# Altium PCB Board-PCB.PcbDoc (part 1 of 2) (continued)
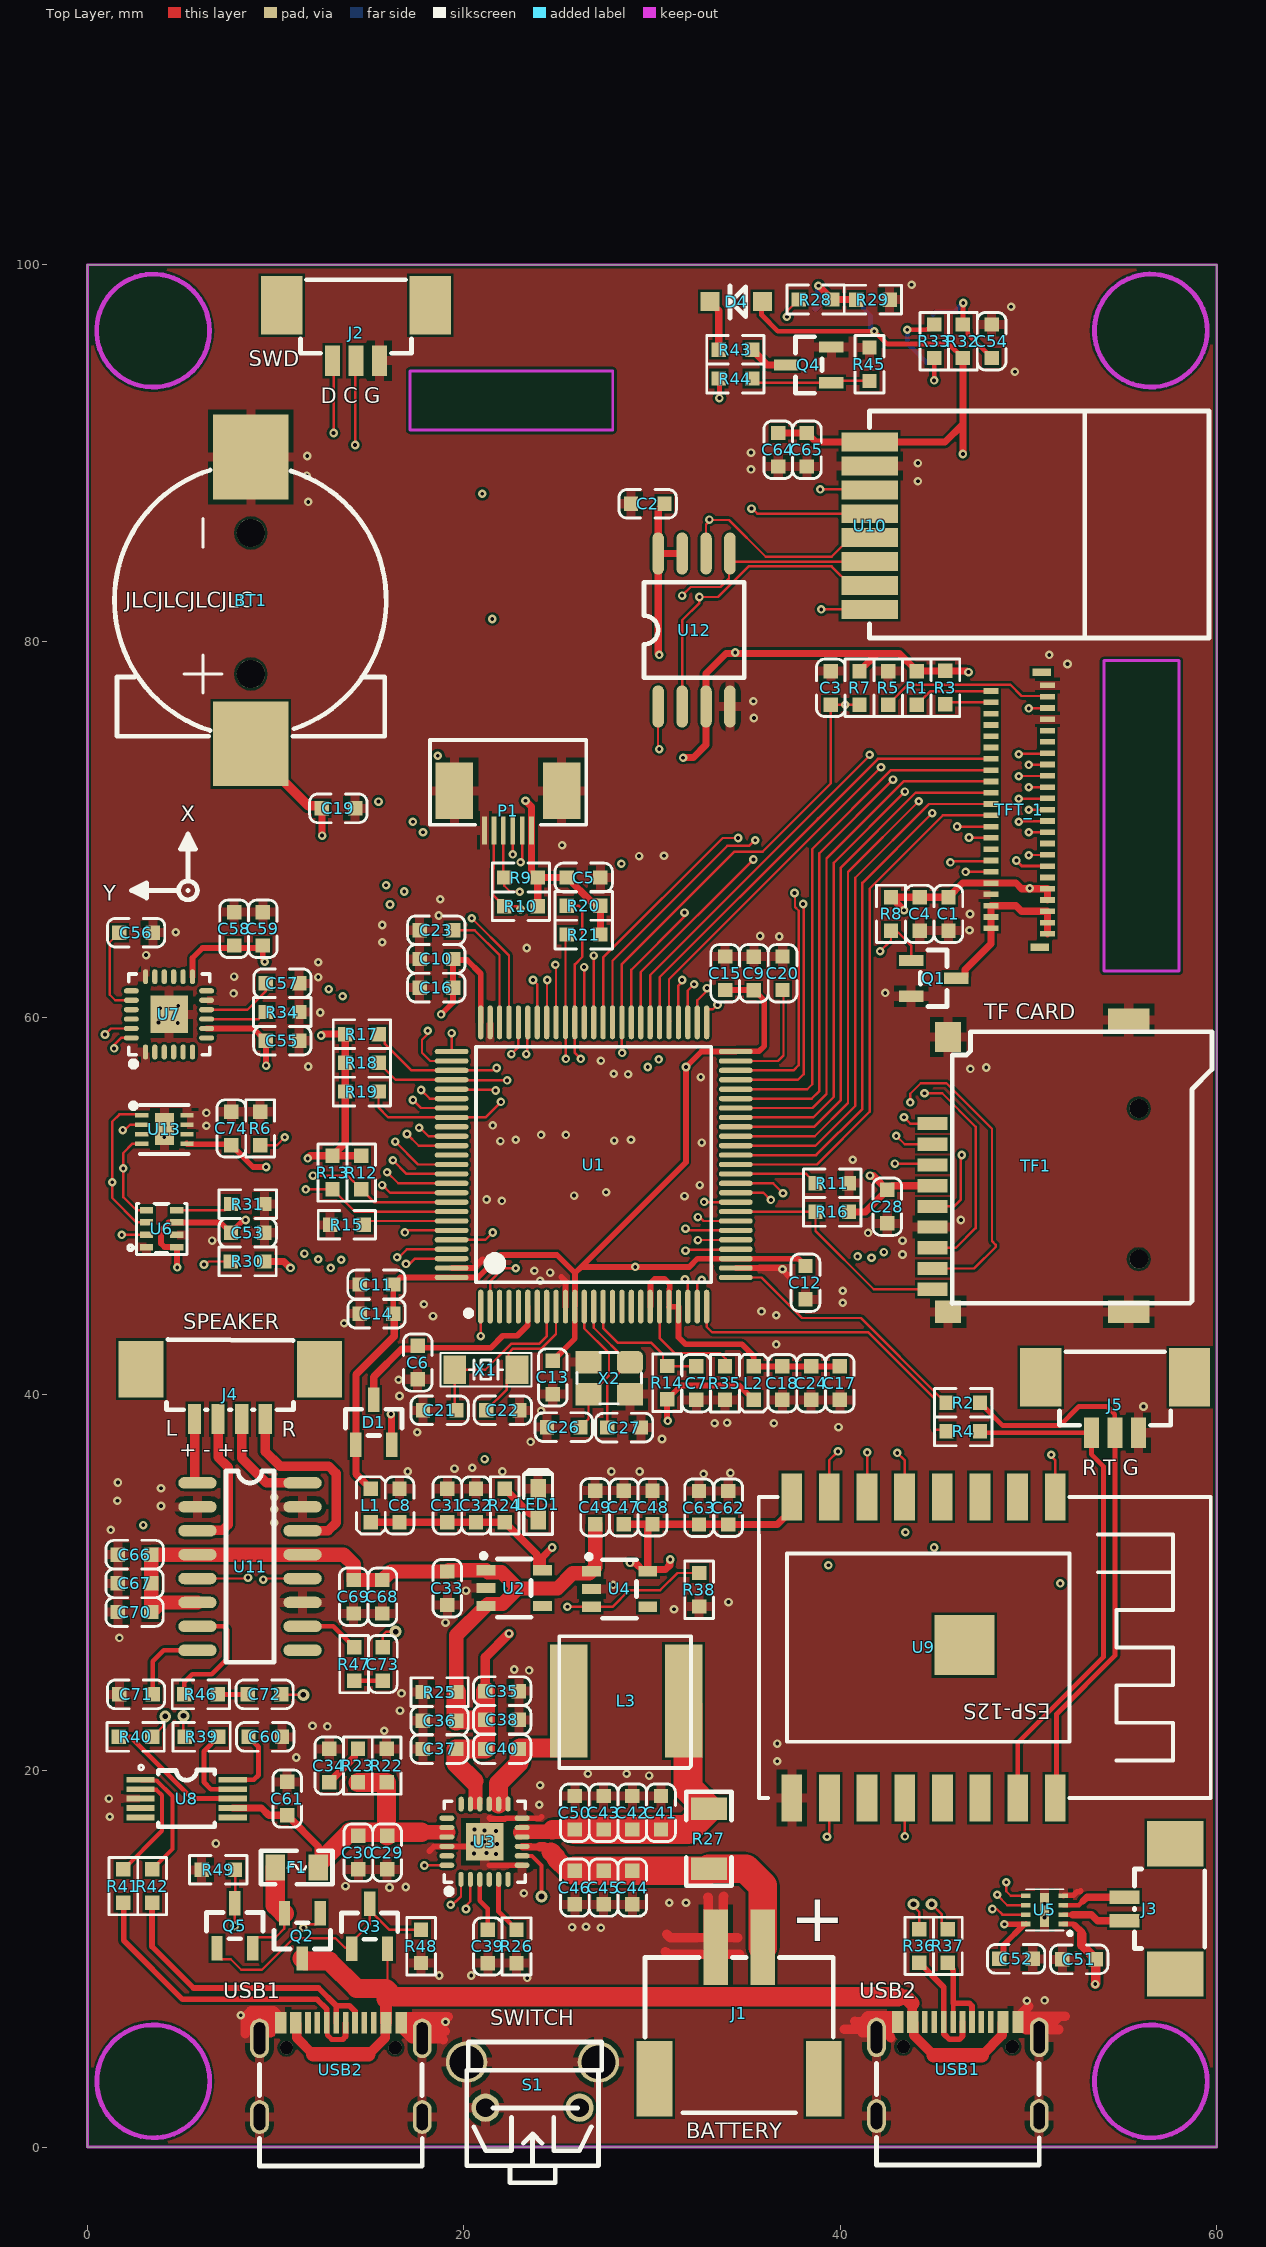
[diagram p0: Top Layer view]
## Components (designator, comment, footprint, x,y, rotation, side; value= is the part's Value field where it differs from the comment) (continued)
P1 "TP_Cap_3.5inch 电容屏接口座" TP_CAP_3.5INCH 57.5,91.95 r180 bottom locked
Q1 "MOSFET-N" SOT-23 43.764,63.038 r180 top
Q2 "AO3401" SOT-23 12.37,12.421 r90 top
Q3 "SS8550" SOT-23 14.046,10.541 r270 top
Q4 "SS8050" SOT-23 39.525,93.725 r0 top
Q5 "SS8550" SOT-23 6.888,10.566 r270 top
R1 "0R" "R 0603" 44.069,76.632 r90 top
R2 "0R" "R 0603" 47.422,39.548 r180 top
R3 "0R" "R 0603" 45.583,76.643 r90 top
R4 "0R" "R 0603" 47.422,38.024 r180 top
R5 "0R" "R 0603" 42.545,76.632 r90 top
R6 "4.7K" "R 0603" 9.179,55.003 r270 top
R7 "0R" "R 0603" 41.021,78.41 r270 top
R8 "10K" "R 0603" 42.695,64.622 r90 top
R9 "4.7K" "R 0603" 22.149,67.446 r0 top
R10 "4.7K" "R 0603" 22.149,65.921 r0 top
R11 "10K" "R 0603" 38.684,51.206 r0 top
R12 "4.7K" "R 0603" 14.551,50.884 r90 top
R13 "4.7K" "R 0603" 13.026,50.884 r90 top
R14 "10K" "R 0603" 30.8,39.722 r90 top
R15 "10K" "R 0603" 14.681,48.997 r180 top
R16 "4.7K" "R 0603" 38.684,49.682 r0 top
R17 "4.7K" "R 0603" 13.7,59.125 r0 top
R18 "4.7K" "R 0603" 13.7,57.6 r0 top
R19 "4.7K" "R 0603" 13.7,56.075 r0 top
R20 "4.7K" "R 0603" 27.254,65.938 r180 top
R21 "4.7K" "R 0603" 27.254,64.414 r180 top
R22 "1K" "R 0603" 15.9,21.158 r270 top
R23 "2R" "R 0603" 14.375,21.158 r270 top
R24 "1K" "R 0603" 22.174,34.976 r270 top
R25 "1K" "R 0603" 17.822,24.175 r0 top
R26 "100K" "R 0603" 22.8,11.55 r270 top
R27 "0.01R" "R 1206" 33.02,14.783 r90 top
R28 "1K" "R 0603" 39.575,98.15 r180 top
R29 "10K" "R 0603" 42.621,98.146 r180 top
R30 "10K" "R 0603" 7.626,47.05 r0 top
R31 "10K" "R 0603" 7.629,50.1 r0 top
R32 "100R" "R 0603" 46.512,95.046 r90 top
R33 "100R" "R 0603" 44.987,95.046 r90 top
R34 "4.7K" "R 0603" 11.25,60.3 r180 top
R35 "0R" "R 0603" 33.875,39.697 r90 top
R36 "22R" "R 0603" 44.19,9.802 r90 top
R37 "22R" "R 0603" 45.715,9.802 r90 top
R38 "100K" "R 0603" 32.5,28.722 r90 top
R39 "1K" "R 0603" 6.96,21.793 r180 top
R40 "1K" "R 0603" 1.676,21.793 r0 top
R41 "22R" "R 0603" 1.915,12.977 r90 top
R42 "22R" "R 0603" 3.44,12.977 r90 top
R43 "22R" "R 0603" 35.319,95.479 r180 top
R44 "1K" "R 0603" 33.538,93.954 r0 top
R45 "10K" "R 0603" 41.55,95.603 r270 top
R46 "10K" "R 0603" 6.925,24.05 r180 top
R47 "10K" "R 0603" 14.175,24.775 r90 top
R48 "10K" "R 0603" 17.729,9.779 r90 top
R49 "10K" "R 0603" 6.071,14.732 r0 top
S1 "Swtich" SW3*6 23.525,3.175 r0 top
TF1 "TF Card" TF-CARD 44.905,54.375 r0 top locked
TFT_1 "TFT_3.5_Tiky_ODM" TFT_3.5_TIKY_ODM 2.5,91.95 r0 bottom locked
U1 "STM32F429VGT6" LQFP100 20.9,44.65 r0 top
U2 "RT9013" SOT23-5 21.175,30.65 r180 top
U3 "IP5109" QFN-24 19.85,14.225 r0 top
U4 "RT9013" SOT23-5 26.775,30.6 r180 top
U5 "DRV8837" WSON-8 50.723,12.854 r90 top
U6 "BMP280" LGA-8 5.728,48.287 r0 top
U7 "MPU6050" QFN-24 3.087,58.175 r0 top
U8 "CH340E" MSOP-10 2.819,19.517 r270 top
U9 "ESP-12S" ESP-12S 51.025,25.4 r270 top locked
U10 "NRF24l01" NRF24L01 49.3,88.675 r270 top
U11 "PAM8403" SOP-16 9.914,33.253 r270 top
U12 "XM25QH128AHIG" SOIC-8 29.54,84.785 r0 top
U13 "SHT3X" DFN-8 2.887,54.81 r270 top
USB1 "TYPE-C" USB-TYPE-C 46.245,4.15 r90 top
USB2 "TYPE-C" USB-TYPE-C 13.47,4.1 r90 top
X1 "32.768KHZ" XTAL-3215 19.525,41.3 r0 top
X2 "25MHZ" SMD-3225 28.836,41.703 r180 top

## Footprints (in the part's own frame and the unit in brackets; to place one, negate y for a bottom-side part, rotate by r counter-clockwise, add the part's x,y. Pads: shape width x height; smd on the part's side, far side on the other; paste and mask are expansions set on the pad)
0603_LED [mil]
  rect 40x32 smd: 1(0,0) 2(-65,0)
  silkscreen extent -105,-30 30,30, body extent -61,-16 2,16, height 24
"C 0603" [mil]
  rect 30x30 smd: 1(0,0) 2(70,0)
  silkscreen extent -25,-30 95,30, body extent 4,-15 66,16, height 20
CR1220-2 [mil]
  rect 177.16x157.48 smd: 1(-330,45) 2(270,45)
  round 59.06 hole 59.06 unplated: ""(-184,45) ""(111,45)
  silkscreen extent -314,-238 242,330
DFN-8 [mm]
  rect 0.25x0.7 smd: 1(0,0) 2(0.5,0) 3(1,0) 4(1.5,0) 5(1.5,2.4) 6(1,2.4) 7(0.5,2.4) 8(0,2.4)
  rect 1.7x1 smd: 9(0.735,1.213)
  silkscreen extent -0.64,-0.57 2.05,2.5, body extent -0.53,-0.09 1.97,2.41, height 0.9
ESP-12S [mm]
  rect 2.5x1.1 smd: 1(-9.145,0.398) 2(-9.145,-1.613) 3(-9.143,-3.606) 4(-9.144,-5.615) 5(-9.145,-7.61) 6(-9.144,-9.606) 7(-9.145,-11.61) 8(-9.144,-13.606) 9(6.857,-13.6) 10(6.857,-11.602) 11(6.858,-9.602) 12(6.857,-7.602) 13(6.858,-5.6) 14(6.859,-3.6) 16(6.857,0.398)
  rect 2.499x1.1 smd: 15(6.857,-1.602)
  rect 3.2x3.2 smd: 17(-1.271,-4.428)
  silkscreen extent -9.14,-15.35 6.86,8.65, body extent -9.14,-15.05 6.86,8.95, height 2.35
"F 0805" [mil]
  rect 40x55 smd: 1(-45,0) 2(45,0)
  silkscreen extent -75,-35 75,35, body extent -39,-24 39,24, height 20
IR12-21C [mm]
  rect 1x1 smd: 1(-3.534,-0.229) 2(-0.734,-0.229)
  silkscreen extent -2.64,-1.07 -1.8,0.66, body extent -3.61,-1.73 -0.61,0.28, height 1.01
IRM-H638T [mm]
  rect 0.7x1.4 smd: 1(1.702,2.646) 2(-0.838,2.646) 3(-0.838,-3.154) 4(1.702,-3.154)
  silkscreen extent -2.07,-2.25 2.93,1.75, body extent -2.08,-3.74 2.92,3.26, height 2.5
"L 0603" [mil]
  rect 30x30 smd: 1(0,0) 2(70,0)
  silkscreen extent -25,-30 95,30, body extent 15,-40 120,0, height 17
L_7*7 [mm]
  rect 2x6 smd: 1(0,0) 2(6.096,0)
  silkscreen extent -0.51,-3.56 6.49,3.44, body extent -0.6,-3.3 6.7,3.3, height 3
"LED 0805" [mil]
  rect 60x50 smd: 1(-50,0)
  oct 60x50 smd: 2(50,0)
  silkscreen extent -90,-35 105,35, body extent -39,-25 39,25, height 26
LGA-8 [mil]
  rect 27.56x13.8 smd: 1(-101.5,-18.6) 2(-101.5,7) 3(-101.5,33) 4(-101.5,58.6) 5(-38.5,58.6) 6(-38.5,33) 7(-38.5,7) 8(-38.5,-18.6)
  silkscreen extent -140,-34 -17,72, body extent -109,-29 -31,69, height 39
LQFP100 [mm]
  oval 0.28x1.796 smd: 1(0,0) 2(0.5,0) 3(1,0) 4(1.5,0) 5(2,0) 6(2.5,0) 7(3,0) 8(3.5,0) 9(4,0) 10(4.5,0) 11(5,0) 12(5.5,0) 13(6,0) 14(6.5,0) 15(7,0) 16(7.5,0) 17(8,0) 18(8.5,0) 19(9,0) 20(9.5,0) 21(10,0) 22(10.5,0) 23(11,0) 24(11.5,0) 25(12,0) 51(12,15.1) 52(11.5,15.1) 53(11,15.1) 54(10.5,15.1) 55(10,15.1) 56(9.5,15.1) 57(9,15.1) 58(8.5,15.1) 59(8,15.1) 60(7.5,15.1) 61(7,15.1) 62(6.5,15.1) 63(6,15.1) 64(5.5,15.1) 65(5,15.1) 66(4.5,15.1) 67(4,15.1) 68(3.5,15.1) 69(3,15.1) 70(2.5,15.1) 71(2,15.1) 72(1.5,15.1) 73(1,15.1) 74(0.5,15.1) 75(0,15.1)
  oval 1.796x0.28 smd: 26(13.55,1.55) 27(13.55,2.05) 28(13.55,2.55) 29(13.55,3.05) 30(13.55,3.55) 31(13.55,4.05) 32(13.55,4.55) 33(13.55,5.05) 34(13.55,5.55) 35(13.55,6.05) 36(13.55,6.55) 37(13.55,7.05) 38(13.55,7.55) 39(13.55,8.05) 40(13.55,8.55) 41(13.55,9.05) 42(13.55,9.55) 43(13.55,10.05) 44(13.55,10.55) 45(13.55,11.05) 46(13.55,11.55) 47(13.55,12.05) 48(13.55,12.55) 49(13.55,13.05) 50(13.55,13.55) 76(-1.55,13.55) 77(-1.55,13.05) 78(-1.55,12.55) 79(-1.55,12.05) 80(-1.55,11.55) 81(-1.55,11.05) 82(-1.55,10.55) 83(-1.55,10.05) 84(-1.55,9.55) 85(-1.55,9.05) 86(-1.55,8.55) 87(-1.55,8.05) 88(-1.55,7.55) 89(-1.55,7.05) 90(-1.55,6.55) 91(-1.55,6.05) 92(-1.55,5.55) 93(-1.55,5.05) 94(-1.55,4.55) 95(-1.55,4.05) 96(-1.55,3.55) 97(-1.55,3.05) 98(-1.55,2.55) 99(-1.55,2.05) 100(-1.55,1.55)
  silkscreen extent -0.8,-0.5 12.25,13.8, body extent -2,-0.46 14.01,15.55, height 1.05
MSOP-10 [mil]
  rect 12x59.06 smd: 1(0,0) 2(19.69,0) 3(39.37,0) 4(59.06,0) 5(78.74,0) 6(78.74,193) 7(59.06,193) 8(39.37,193) 9(19.69,193) 10(0,193)
  silkscreen extent -31,-3 98,156, body extent -19,-4 99,194, height 41
NRF24L01 [mm]
  rect 1x3 smd: 1(-1.905,-7.747) 2(-0.635,-7.747) 3(0.635,-7.747) 4(1.905,-7.747) 5(3.175,-7.747) 6(4.445,-7.747) 7(5.715,-7.747) 8(6.985,-7.747)
  silkscreen extent -3.56,-7.75 8.51,10.29, body extent -3.46,-7.75 8.54,10.25, height 0.8
QFN-24 [mm]
  oval 0.28x0.796 smd: 1(0,0) 2(0.5,0) 3(1,0) 4(1.5,0) 5(2,0) 6(2.5,0) 13(2.5,4) 14(2,4) 15(1.5,4) 16(1,4) 17(0.5,4) 18(0.008,4)
  oval 0.796x0.28 smd: 7(3.25,0.75) 8(3.25,1.25) 9(3.25,1.75) 10(3.25,2.25) 11(3.25,2.75) 12(3.25,3.25) 19(-0.75,3.25) 20(-0.75,2.75) 21(-0.75,2.25) 22(-0.75,1.75) 23(-0.75,1.25) 24(-0.75,0.75)
  rect 2x2 smd: 25(1.263,2)
  silkscreen extent -0.89,-0.79 3.41,4.15, body extent -0.74,0 3.26,4, height 0.9
"R 0603" [mil]
  rect 30x30 smd: 1(0,0) 2(70,0)
  silkscreen extent -25,-30 95,30, body extent 2,-16 68,16, height 22
"R 1206" [mm]
  rect 1.2x1.9 smd: 1(0,0) 2(3.2,0)
  silkscreen extent -0.9,-1.2 4.1,1.2, body extent 0.05,-0.76 3.25,0.84, height 0.6
SMD-3225 [mm]
  rrect50% 1.4x1.2 smd: 1(0.011,0.003)
  rect 1.4x1.2 smd: 2(2.211,0.003) 3(2.211,1.703) 4(0.011,1.703)
  silkscreen extent -0.61,-0.51 2.82,2.21, body extent -0.46,-0.36 2.74,2.14, height 0.81
SMD_2P-1.25 [mm] "立贴"
  rect 2.4x3 smd: 0(-2.843,2.689) 0(4.071,2.69)
  rect 0.7x1.6 smd: 1(0,0) 2(1.25,0)
  silkscreen extent -1.5,0.53 2.72,4.26, body extent -3.17,0 4.48,4.2, height 4.66
SMD_3P-1.25 [mm]
  rect 2.2x3.1 smd: 0(-2.7,2.95) 0(5.2,2.95)
  rect 0.8x1.6 smd: 1(0,0) 2(1.25,0) 3(2.5,0)
  silkscreen extent -1.7,0.4 4.2,4.3
SMD_4P-1.25 [mm]
  rect 2.4x3 smd: 0(-1.345,2.159) 0(8.128,2.159)
  rect 0.7x1.6 smd: 1(1.5,-0.5) 2(2.75,-0.5) 3(4,-0.5) 4(5.25,-0.5)
  silkscreen extent 0,0 6.76,3.73, body extent -1.71,-0.35 8.51,3.55, height 4.75
SOIC-8 [mil]
  oval 24x88 smd: 1(31,-325) 2(81,-325) 3(131,-325) 4(181,-325) 5(181,-5) 6(131,-5) 7(81,-5) 8(31,-5)
  silkscreen extent 1,-265 211,-65, body extent 0,-330 212,0, height 91
SOP-16 [mil]
  oval 24x80 smd: 1(-80,-160) 2(-30,-160) 3(20,-160) 4(70,-160) 5(120,-160) 6(170,-160) 7(220,-160) 8(270,-160) 9(270,60) 10(220,60) 11(170,60) 12(120,60) 13(70,60) 14(20,60) 15(-30,60) 16(-80,60)
  silkscreen extent -105,-100 295,0, body extent -101,-173 291,73, height 62
SOT23-5 [mm]
  rect 1x0.55 smd: 1(0,0) 2(0,0.95) 3(0,1.9) 4(-3,1.9) 5(-3,0)
  silkscreen extent -2.4,-0.89 0.25,2.5, body extent -2.72,-0.56 -0.22,2.44, height 1.06
SOT-23 [mm]
  rect 1.3x0.6 smd: 1(0,0) 2(0,1.9) 3(-2.4,0.95)
  silkscreen extent -1.9,-0.55 -0.5,2.45, body extent -2.46,-0.56 0.04,2.44, height 1.06
SW3*6 [mm]
  round 1.5 hole 1: 1(-2.372,-1.082) 2(2.626,-1.082)
  round 2.2 hole 1.8: 3(-3.373,1.336) 3(3.627,1.336)
  silkscreen extent -3.37,-5.06 3.81,2.41
TF-CARD [mm]
  round 1 hole 1: 0(10.956,-7.2) 0(10.956,0.8)
  rect 1.6x0.7 smd: 1(0,0) 2(0,-1.1) 3(0,-2.2) 4(0,-3.3) 5(0,-4.4) 6(0,-5.5) 7(0,-6.6) 8(0,-7.7) 9(0,-8.8)
  rect 1.4x1.2 smd: 10(0.82,-10)
  rect 2.2x1.2 smd: 11(10.42,-10) 13(10.42,5.5)
  rect 1.4x1.6 smd: 12(0.82,4.6)
  silkscreen extent 1.03,-9.55 14.84,4.88, body extent -0.25,-10.34 16.95,5.76, height 2.2
TFT_3.5_TIKY_ODM [mm]
  rect 1x0.4 smd far side: 0(48.1,28.2) 0(48.2,13.6)
  rect 0.8x0.3 smd far side: 1(48.5,27.5) 2(45.5,27.2) 3(48.5,26.9) 4(45.5,26.6) 5(48.5,26.3) 6(45.5,26) 7(48.5,25.7) 8(45.5,25.4) 9(48.5,25.1) 10(45.5,24.8) 11(48.5,24.5) 12(45.5,24.2) 13(48.5,23.9) 14(45.5,23.6) 15(48.5,23.3) 16(45.5,23) 17(48.5,22.7) 18(45.5,22.4) 19(48.5,22.1) 20(45.5,21.8) 21(48.5,21.5) 22(45.5,21.2) 23(48.5,20.9) 24(45.5,20.6) 25(48.5,20.3) 26(45.5,20) 27(48.5,19.7) 28(45.5,19.4) 29(48.5,19.1) 30(45.5,18.8) 31(48.5,18.5) 32(45.5,18.2) 33(48.5,17.9) 34(45.5,17.6) 35(48.5,17.3) 36(45.5,17) 37(48.5,16.7) 38(45.5,16.4) 39(48.5,16.1) 40(45.5,15.8) 41(48.5,15.5) 42(45.5,15.2) 43(48.5,14.9) 44(45.5,14.6) 45(48.5,14.3)
  silkscreen extent 0,0 55,84.5
TP_CAP_3.5INCH [mm]
  rect 0.25x1.5 smd far side: 1(33.9,-22) 2(34.4,-22) 3(34.9,-22) 4(35.4,-22) 5(35.9,-22) 6(36.4,-22)
  rect 2x3 smd far side: 7(32.3,-19.9)
  rect 2x3 smd far side paste+0: 8(38,-19.9)
  silkscreen extent 0,-84.5 55,0
USB-TYPE-C [mm] "TYPE-C座子16PIN"
  rect 1.15x0.6 smd: A1B12(2.5,3.2) A4B9(2.5,2.4) B1A12(2.5,-3.2) B4A9(2.5,-2.4)
  rect 1.15x0.3 smd: A5(2.5,1.25) A6(2.5,0.25) A7(2.5,-0.25) A8(2.5,1.75) B5(2.5,-1.75) B6(2.5,-0.75) B7(2.5,0.75) B8(2.5,-1.25)
  oval 1.8x1 hole 0.6 slot 1.4 at 0 deg: shell(-2.5,4.32) shell(-2.5,-4.32)
  oval 2.1x1 hole 0.6 slot 1.7 at 0 deg: shell(1.68,4.32) shell(1.68,-4.32)
  silkscreen extent -5.1,-4.32 0.29,4.32, body extent -5.1,-4.5 2.5,4.5, height 3.28
WSON-8 [mm]
  rect 0.25x0.5 smd: 1(-1.005,-1.127) 2(-0.506,-1.129) 3(-0.003,-1.128) 4(0.497,-1.129) 5(0.497,0.875) 6(-0.005,0.875) 7(-0.505,0.874) 8(-1.004,0.874)
  rect 1.8x0.5 smd: 9(-0.254,-0.127)
  silkscreen extent -1.6,-1.58 0.85,0.87
XH-2P-SMD [mm]
  rect 1.3x4 smd: 1(0,0) 2(2.5,0)
  rect 1.9x4 smd: 3(5.75,-7) 4(-3.25,-7)
  silkscreen extent -3.75,-8.8 6.25,-0.55, body extent -3.73,-8.83 6.27,1.59, height 6.05
XTAL-3215 [mm]
  rect 1.2x1.5 smd: 1(0,0) 2(3.3,0)
  silkscreen extent -0.76,-0.89 4.06,0.89, body extent 0.05,-0.75 3.25,0.75, height 0.61

## Part data
BT1: library part Battery, "Multicell Battery", LatestRevisionDate=17-Jul-2002, LatestRevisionNote="Re-released for DXP Platform.", PackageDescription="Battery; 2 Leads", PackageReference=BAT-2, Published=24-Mar-1999, Publisher="Altium Limited"
C1 C2 C4 C5 C28 C29 C30 C34 C35 C36 C37 C38 C40 C41 C42 C43 C44 C45 C46 C50 C55 C56 C57 C58 C59: library part Cap, "Capacitor"
C3 C6 C7 C8 C9 C10 C11 C12 C13 C14 C15 C16 C17 C18 C19 C20 C21 C22 C23 C24 C26 C27 C31 C32 C33 C39 C47 C48 C49 C51 C52 C53 C54 C62 C63 C64 C65 C66 C67 C68 C69 C70 C71 C72 C73 C74: library part CAP
C60 C61: library part CAP, "Capacitor"
D2: library part LRES, "光敏传感器"
F1: library part F, "熔断开关"
L1 L2: library part INDUCTOR
L3: library part Inductor, "Inductor"
P1: library part BHEADSMD1x6
Q2: library part PMOS
Q3 Q5: library part PNP
Q4: library part NPN
R1 R2 R3 R4 R5 R6 R7 R8 R9 R10 R11 R12 R13 R14 R15 R16 R17 R18 R19 R20 R21 R22 R23 R24 R25 R26 R27 R28 R29 R30 R31 R32 R33 R34 R35 R36 R37 R38 R39 R40 R41 R42 R43 R44 R45 R46 R47 R48 R49: library part RES
S1: library part Switch-th
U2 U4: "500mA低压差LDO"
U3: BOM_LCSC Assembly=Yes, BOM_Manufacturer=INJOINIC, BOM_Manufacturer Part=IP5109, BOM_Supplier=LCSC, BOM_Supplier Part=C181699, Contributor=LCSC, SMT Type=Extend, spicePre=U, spiceSymbolName=IP5109
U12: library part W25Q128
USB1 USB2: library part "USB TYPE-C", "TYPE-C 16pin"
X1: library part XTAL-2P
X2: library part XTAL-4P

## Via types
v1: diameter 0.457, hole 0.203, Top Layer to Bottom Layer, tented both sides, 341 vias
v2: diameter 0.635, hole 0.305, Top Layer to Bottom Layer, tented both sides, 7 vias
v3: diameter 0.7/0.4/0.4/0.7 (per signal layer), hole 0.7, Top Layer to Bottom Layer, tented both sides, 4 vias

## Nets (pads, with @x,y where several pads share a name; then routed paths per layer and width w, separated by ;. In a path a pad name is that pad's centre, name@x,y a point inside that pad or via, vN(x,y) a via of type N, cw(c..) or ccw(c..) an arc to the next point about the centre after c; other vN are vias at no path point)
AD0: R34.2 U7.9 | length 3.3
  Top Layer w0.127: U7.9@6.337,59.925 9.097,59.925 R34.2@9.472,60.3
ADC_LIGHT: R28.2 U1.67 | length 44.7
  Top Layer w0.127: v1(24.867,62.814) 24.9,62.781 U1.67@24.9,59.75 ; v1(37.16,97.231) 37.223,97.294 37.223,97.576 R28.2@37.797,98.15
  Mid Layer 2 w0.127: v1(24.867,62.814) 25.476,63.424 25.476,68.351 27.051,69.926 27.051,88.748 35.509,97.206 37.135,97.206 v1(37.16,97.231)
BMP_SCL: R12.1 U1.92 U3.24 U6.4 U7.23 U13.4 | length 72.8
  Top Layer w0.127: v1(0.94,59.106) 1.259,59.425 U7.23@2.337,59.425 ; U13.4@2.887,53.31 2.408,53.31 1.905,52.807 v1(1.905,51.994) 1.905,50.47 2.6,49.775 U6.4@3.15,49.775 ; v1(11.989,51.613) 13.822,51.613 R12.1@14.551,50.884 15.235,50.2 U1.92@19.35,50.2 ; v1(17.907,14.961) 17.921,14.975 U3.24@19.1,14.975
  Mid Layer 1 w0.127: v1(1.905,51.994) 1.905,51.714 2.108,51.511 11.798,51.511 11.899,51.613 v1(11.989,51.613)
  Mid Layer 2 w0.127: v1(0.94,59.106) 0.94,52.959 v1(1.905,51.994) ; v1(11.989,51.613) 14.402,49.2 14.402,34.976 17.602,31.775 17.602,15.265 v1(17.907,14.961)
BMP_SDA: R13.1 U1.93 U3.1 U6.3 U7.24 U13.1 | length 79.9
  Top Layer w0.127: v1(1.422,58.369) 1.422,58.556 1.792,58.925 U7.24@2.337,58.925 ; U13.1@2.865,54.788 2.789,54.864 1.702,54.864 1.321,54.483 v1(1.321,51.257) 1.321,50.419 2.615,49.125 U6.3@3.15,49.125 ; v1(11.608,50.876) 11.616,50.884 R13.1@13.026,50.884 14.21,49.7 U1.93@19.35,49.7 ; v1(19.3,12.874) 19.389,12.874 19.571,13.056 19.583,13.056 19.85,13.322 U3.1@19.85,14.225
  Mid Layer 1 w0.127: v1(1.321,51.257) 11.227,51.257 v1(11.608,50.876)
  Mid Layer 2 w0.127: v1(1.321,51.257) 1.956,51.257 2.413,51.714 2.413,52.197 1.194,53.416 1.194,58.051 1.422,58.28 v1(1.422,58.369) ; v1(11.608,50.876) 11.633,50.851 12.317,50.851 14.148,49.02 14.148,34.849 17.348,31.648 17.348,14.783 19.257,12.874 v1(19.3,12.874)
CTP_INT: P1.3 U1.96 | length 24.8
  Top Layer w0.127: U1.96@19.35,48.2 21.149,48.2 v1(21.539,48.59) ; v1(22.6,68.676) P1.3@22.6,69.95
  Mid Layer 2 w0.127: v1(21.539,48.59) 20.701,49.428 20.701,61.29 22.25,62.84 22.25,68.326 v1(22.6,68.676)
CTP_SCL: P1.5 R10.1 U1.47 | length 33.1
  Top Layer w0.127: P1.5@21.6,69.95 21.6,67.928 21.577,67.906 21.577,66.492 R10.1@22.149,65.921 22.852,65.921 v1(23.012,65.761) ; U1.47@34.45,56.7 37.752,56.7 38.049,56.998 38.049,66.015 v1(38.024,66.04)
  Mid Layer 1 w0.127: v1(23.012,65.761) 23.292,66.04 v1(38.024,66.04)
CTP_SDA: P1.4 R9.1 U1.48 | length 31.5
  Top Layer w0.127: P1.4@22.1,69.95 22.1,67.494 R9.1@22.149,67.446 22.149,67.005 22.466,66.688 v1(22.974,66.688) ; U1.48@34.45,57.2 37.515,57.2 37.795,57.48 37.795,65.676 37.592,65.879 37.592,66.599 v1(37.567,66.624)
  Mid Layer 1 w0.127: v1(22.974,66.688) 23.368,66.294 37.203,66.294 37.533,66.624 v1(37.567,66.624)
DAC1: C72.2 U1.29 | length 46.6
  Top Layer w0.127: C72.2@10.303,24.05 10.328,24.025 v2(11.475,24.025) ; v1(31.775,47.625) 31.821,47.671 34.421,47.671 U1.29@34.45,47.7
  Mid Layer 1 w0.127: v1(12.929,46.711) 13.716,46.711 14.834,47.828 23.158,47.828 23.361,47.625 v1(31.775,47.625)
  Mid Layer 2 w0.127: v2(11.475,24.025) 11.475,43.25 12.929,44.704 v1(12.929,46.711)
DAC2: C73.2 U1.30 | length 45.2
  Top Layer w0.127: C73.2@15.7,26.553 15.7,27.206 15.875,27.381 v2(16.383,27.381) ; v1(32.436,48.184) 32.444,48.192 34.442,48.192 U1.30@34.45,48.2
  Mid Layer 1 w0.127: v1(13.487,47.142) 14.427,48.082 32.245,48.082 32.346,48.184 v1(32.436,48.184)
  Mid Layer 2 w0.127: v1(13.487,47.142) 13.487,44.904 11.729,43.145 11.729,32.035 v2(16.383,27.381)
DEV_EN: R38.2 U1.2 U4.3 | length 30.2
  Top Layer w0.127: U1.2@21.4,44.65 21.4,45.987 22.098,46.685 v1(22.758,46.685) ; v1(25.502,28.702) U4.3@26.775,28.7 U4.3@26.775,28.7 27.899,28.7 28.79,29.591 30.439,29.591 31.348,30.5 R38.2@32.5,30.5
  Mid Layer 2 w0.127: v1(22.758,46.685) 22.758,30.886 24.943,28.702 v1(25.502,28.702)
ESP_CLK: U1.89 U9.5 | length 46.1
  Top Layer w0.127: v1(16.231,52.426) 16.956,51.7 U1.89@19.35,51.7 ; v1(43.028,36.881) 43.415,36.494 U9.5@43.415,34.545
  Mid Layer 1 w0.127: v1(16.231,52.426) 36.805,52.426 41.529,47.701 41.935,47.701 42.025,47.612 42.253,47.612 v1(42.316,47.549)
  Mid Layer 2 w0.127: v1(42.316,47.549) 42.316,47.117 41.427,46.228 41.427,37.821 42.367,36.881 v1(43.028,36.881)
ESP_CS: U1.35 U9.10 | length 39.2
  Top Layer w0.127: U1.35@34.45,50.7 35.914,50.7 36.297,50.317 v1(36.316,50.317) ; v1(39.294,16.485) 39.294,16.574 39.423,16.704 U9.10@39.423,18.543
  Mid Layer 2 w0.127: v1(36.316,50.317) 38.684,47.949 38.684,21.057 39.294,20.447 v1(39.294,16.485)
ESP_DOWN: U1.1 U9.12 | length 50.4
  Top Layer w0.127: v1(20.9,43.082) U1.1@20.9,44.65 ; U9.12@43.383,18.582 U9.12@43.423,18.543 43.434,18.532 v1(43.434,16.51)
  Mid Layer 1 w0.127: v1(21.107,36.551) 36.195,36.551 40.081,32.664 v1(43.459,32.664)
  Mid Layer 2 w0.127: v1(20.9,43.082) 20.9,36.758 v1(21.107,36.551) ; v1(43.434,16.51) 43.447,16.523 43.447,32.652 v1(43.459,32.664)
ESP_MISO: U1.90 U9.6 | length 44.6
  Top Layer w0.127: v1(15.926,51.791) 16.516,51.2 U1.90@19.35,51.2 ; U9.6@41.419,34.544 41.427,34.553 v1(41.427,36.906)
  Mid Layer 1 w0.127: v1(15.926,51.791) 16.612,51.791 16.993,52.172 36.699,52.172 41.627,47.244 v1(41.656,47.244)
  Mid Layer 2 w0.127: v1(41.427,36.906) 41.427,36.991 41.173,37.245 41.173,46.761 v1(41.656,47.244)
ESP_MOSI: U1.91 U9.7 | length 44.9
  Top Layer w0.127: v1(15.659,51.105) 15.672,51.105 16.077,50.7 U1.91@19.35,50.7 ; U9.7@39.415,34.545 39.415,36.494 v1(39.878,36.957)
  Mid Layer 1 w0.127: v1(15.659,51.105) 16.285,51.105 17.098,51.918 36.594,51.918 40.912,47.6 40.912,47.327 v1(40.919,47.32)
  Mid Layer 2 w0.127: v1(39.878,36.957) 40.919,37.998 v1(40.919,47.32)
ESP_RST: U1.36 U9.1 | length 42.4
  Top Layer w0.127: U1.36@34.45,51.2 36.43,51.2 v1(36.957,50.673) ; v1(51.206,36.779) 51.206,36.69 51.423,36.473 U9.1@51.423,34.545
  Mid Layer 1 w0.127: v1(39.37,30.912) 49.225,30.912 51.206,32.893 v1(51.206,36.779)
  Mid Layer 2 w0.127: v1(36.957,50.673) 36.957,50.586 39.37,48.173 v1(39.37,30.912)
ESP_RX: R2.2 U1.26 | length 14
  Top Layer w0.127: U1.26@34.45,46.2 35.817,46.2 37.973,44.044 41.097,44.044 45.276,39.865 45.326,39.865 45.618,39.573 R2.2@45.618,39.522
ESP_TX: R4.2 U1.25 | length 17.1
  Top Layer w0.127: U1.25@32.9,44.65 32.9,43.579 33.198,43.282 41.5,43.282 45.009,39.773 45.009,38.174 45.083,38.1 45.568,38.1 R4.2@45.644,38.024
FLASH_CLK: U1.52 U10.5 U12.6 | length 38.6
  Top Layer w0.127: U1.52@32.4,59.75 32.4,60.916 32.918,61.434 v1(32.918,61.57) ; U12.6@32.868,84.658 32.868,86.194 33.045,86.372 v1(33.045,86.462) 33.071,86.436 34.087,86.436 36.039,84.484 39.538,84.484 40.553,85.5 U10.5@41.553,85.5
  Mid Layer 2 w0.127: v1(32.918,61.57) 32.969,61.62 32.969,86.296 33.045,86.372 v1(33.045,86.462)
FLASH_CS: U1.77 U12.1 | length 32.1
  Top Layer w0.127: v1(18.085,59.309) 18.085,59.131 17.78,58.826 17.78,58.141 18.221,57.7 U1.77@19.35,57.7 ; U12.1@30.328,76.53 30.315,76.517 30.315,74.333 v1(30.378,74.27)
  Mid Layer 1 w0.127: v1(18.618,73.914) 30.023,73.914 v1(30.378,74.27)
  Mid Layer 2 w0.127: v1(18.085,59.309) 18.085,66.859 18.618,67.393 v1(18.618,73.914)
FLASH_MISO: U1.53 U10.7 U12.2 | length 39.3
  Top Layer w0.127: U12.2@31.598,76.53 31.598,81.111 32.512,82.025 v1(32.512,82.347) 33.503,82.347 35.132,83.976 39.538,83.976 ; U1.53@31.9,59.75 31.9,61.44 v1(32.233,61.773) ; 39.538,83.975 40.553,82.96 U10.7@41.553,82.96
  Mid Layer 2 w0.127: v1(32.233,61.773) 32.69,62.23 32.69,82.169 v1(32.512,82.347)
FLASH_MOSI: U1.54 U10.6 U12.5 | length 35.2
  Top Layer w0.127: U1.54@31.4,59.75 31.4,61.702 31.598,61.9 v1(31.598,62.001) ; v1(31.598,82.423) 32.055,82.88 33.63,82.88 34.087,83.337 U12.5@34.087,84.504 ; U12.5@34.087,84.607 U12.5@34.087,84.504 ; U10.6@41.553,84.23 34.361,84.23 U12.5@34.087,84.504
  Mid Layer 2 w0.127: v1(31.598,62.001) 32.436,62.84 32.436,81.585 v1(31.598,82.423)
GND: BT1.2 C1.2 C2.2 C3.1 C4.2 C5.2 C6.2 C7.1 C8.1 C9.1 C10.1 C11.1 C12.1 C13.1 C14.1 C15.1 C16.1 C17.2 C18.2 C19.1 C20.1 C21.1 C22.1 C23.1 C24.1 C26.1 C27.1 C28.2 C29.1 C30.1 C31.1 C32.1 C33.1 C34.1 C35.1 C36.1 C37.1 C38.1 C39.1 C41.1 C42.1 C43.1 C44.1 C45.1 C46.1 C47.1 C48.1 C49.1 C50.1 C51.1 C52.2 C53.1 C54.2 C55.2 C56.2 C57.1 C58.1 C59.1 C60.1 C61.2 C62.2 C63.2 C64.2 C65.2 C66.2 C67.2 C68.2 C69.2 C70.1 C71.1 C74.2 IR1.1 IR1.2 J1.1 J2.3 J5.3 LED1.2 P1.6 P1.7 P1.8 Q1.2 Q4.2 R5.2 R6.1 R11.2 R15.2 R22.1 R25.1 R26.2 R29.1 R31.2 R34.1 R35.1 R38.1 R45.1 R48.1 R49.1 S1.1 S1.3 TF1.6 TF1.10 TF1.11 TF1.12 TF1.13 TFT_1.8 TFT_1.39 TFT_1.45 U1.10 U1.27 U1.74 U1.99 U2.2 U3.7 U3.12 U3.22 U3.25 U4.2 U5.4 U5.9 U6.1 U6.7 U7.1 U7.11 U7.18 U7.25 U8.3 U9.9 U10.2 U11.2 U11.11 U11.15 U12.4 U13.7 U13.8 U13.9 USB1.A1B12 USB1.B1A12 USB1.shell USB2.A1B12 USB2.B1A12 USB2.shell X2.2 X2.4 | length 67.8
  Top Layer w0.305: 18.161,15.723 18.413,15.975 U3.22@19.1,15.975 20.863,15.975 v1(21.113,16.225) ; U1.99@19.35,46.7 20.538,46.7 21.004,47.166 ; 21.367,14.971 21.371,14.975 U3.7@23.1,14.975 ; 21.367,17.479 21.408,17.438 22.176,17.438 22.214,17.475 U3.12@23.1,17.475 24.054,17.475 24.13,17.551 ; 25.171,46.228 25.4,45.999 U1.10@25.4,44.65 ; U1.27@34.45,46.7 36.825,46.7 36.89,46.634 v1(36.932,46.634) 36.932,46.593 37.338,46.187 37.338,46.05 ; U5.4@51.852,13.351 51.879,13.378 52.393,13.378 52.581,13.567 52.727,13.567 52.768,13.607
  Top Layer w0.508: 8.389,6.034 8.389,6.527 ; USB2.shell@9.15,5.78 9.15,5.843 9.377,6.071 9.754,6.071 9.779,6.096 9.779,6.644 ; USB2.A1B12@10.27,6.6 10.27,6.875 USB2.A1B12@10.224,6.921 ; USB2.shell@17.79,5.78 USB2.shell@17.79,5.92 ; 18.898,5.715 18.842,5.771 17.224,5.771 USB2.B1A12@16.716,6.279 ; 18.999,6.147 18.017,6.147 USB2.shell@17.79,5.92 ; v1(19.025,6.655) 18.97,6.6 USB2.B1A12@16.67,6.6 ; 19.177,6.934 17.004,6.934 16.991,6.921 16.716,6.921 16.67,6.875 USB2.B1A12@16.67,6.6 ; 30.709,10.389 30.861,10.236 34.646,10.236 ; 30.785,11.303 30.963,11.125 J1.1@32.979,11.125 ; 32.969,13.284 32.979,13.274 J1.1@32.979,11.125 ; 33.807,13.335 33.771,13.299 J1.1@33.771,11.125 ; 34.544,11.125 J1.1@33.771,11.125 ; 40.208,6.274 USB1.shell@42.097,6.274 ; 40.767,6.68 40.797,6.65 41.164,6.65 ; 41.164,6.084 USB1.shell@41.925,6.084 ; 41.164,6.38 41.164,6.65 ; USB1.shell@41.925,5.83 USB1.shell@41.925,6.084 ; 42.686,5.821 USB1.shell@42.423,6.084 ; 49.999,7.479 49.445,6.925 USB1.B1A12@49.445,6.914 ; 51.511,6.833 51.329,6.65 USB1.B1A12@49.445,6.65 ; 51.613,6.248 49.847,6.248 49.766,6.329 49.491,6.329 49.445,6.375 USB1.B1A12@49.445,6.65 ; 51.943,6.96 49.491,6.96 USB1.B1A12@49.445,6.914 ; 8.389,6.527 8.389,6.941 ; 8.389,6.527 9.662,6.527 9.779,6.644 ; 8.389,6.941 9.481,6.941 9.502,6.921 ; 8.389,6.941 8.687,7.239 9.906,7.239 USB2.A1B12@10.224,6.921 ; 9.502,6.921 9.779,6.644 ; 9.502,6.921 USB2.A1B12@10.224,6.921 ; USB2.B1A12@16.67,6.6 16.67,6.325 USB2.B1A12@16.716,6.279 ; USB2.B1A12@16.716,6.279 17.563,6.279 17.79,6.052 USB2.shell@17.79,5.92 ; J1.1@32.979,11.125 32.979,11.021 J1.1@33.375,10.625 33.771,11.021 J1.1@33.771,11.125 ; J1.1@32.979,11.125 J1.1@33.771,11.125 ; 41.164,6.65 42.423,6.65 ; 41.164,6.65 41.164,6.687 41.462,6.985 42.364,6.985 ; USB1.shell@41.925,6.084 USB1.shell@42.423,6.084 ; USB1.shell@41.925,6.084 41.925,6.102 USB1.shell@42.097,6.274 ; USB1.shell@42.097,6.274 42.367,6.274 USB1.shell@42.423,6.329 ; USB1.shell@42.097,6.274 42.152,6.329 USB1.shell@42.423,6.329 ; 42.364,6.985 43.053,6.985 43.053,6.658 USB1.A1B12@43.045,6.65 ; 42.364,6.985 42.423,6.926 42.423,6.65 ; USB1.shell@42.423,6.084 USB1.shell@42.423,6.329 ; USB1.shell@42.423,6.329 42.423,6.65 ; USB1.shell@42.423,6.329 42.999,6.329 43.045,6.375 USB1.A1B12@43.045,6.65 ; 42.423,6.65 USB1.A1B12@43.045,6.65 ; USB1.B1A12@49.445,6.65 USB1.B1A12@49.445,6.914
  other v1: 8.153,7.01 49.911,7.772 50.851,7.798 23.368,8.992 18.694,9.119 20.396,9.119 27.28,11.659 25.756,11.684 26.492,11.709 50.851,12.192 50.851,12.929 30.912,12.979 31.801,12.979 23.19,13.487 16.053,13.792 16.916,13.818 13.716,13.868 21.717,15.57 20.549,15.596 21.209,15.621 21.768,16.104 6.833,16.129 20.447,16.129 21.717,16.789 21.107,16.815 20.574,16.866 1.194,17.551 24.003,18.186 1.143,18.517 24.054,19.228 29.845,19.736 26.594,19.837 28.651,19.837 36.652,20.498 11.1,20.701 36.652,21.438 15.773,22.123 12.751,22.352 11.963,22.377 16.612,23.19 16.688,24.105 23.47,25.324 22.682,25.375 1.702,27.051 19.025,27.864 31.166,28.575 34.061,28.956 20.117,29.566 27.94,29.87 1.245,32.791 9.931,33.172 9.931,33.884 3.912,34.061 1.6,34.341 9.931,34.519 3.912,35.001 1.626,35.306 32.741,35.763 34.163,35.814 17.018,35.89 22.047,35.89 27.838,35.89 29.337,35.89 19.507,36.043 20.447,36.093 23.546,37.465 30.531,37.617 17.526,37.973 39.903,38.252 33.325,38.456 36.474,38.456 33.985,38.481 24.105,39.116 56.109,39.345 16.586,39.903 16.535,40.767 36.601,42.647 13.64,43.764 18.364,44.145 36.601,44.196 35.814,44.399 17.882,44.78 40.132,44.856 40.132,45.491 24.054,46.025 24.587,46.457 23.749,46.558 43.307,47.422 6.629,48.158 43.307,48.158 41.478,48.565 46.406,49.251 22.022,50.267 21.209,50.343 31.725,50.521 25.857,50.546 27.559,50.724 32.537,51.105 40.665,52.451 32.639,53.365 21.946,53.442 27.991,53.467 22.758,53.518 28.88,53.518 4.089,53.645 24.105,53.772 25.425,53.772 6.325,54.254 4.115,54.28 21.539,54.28 6.325,54.94 32.588,56.845 28.727,56.998 27.965,57.023 46.914,57.277 47.752,57.353 11.735,57.404 27.28,57.709 4.801,59.715 3.785,59.741 12.37,60.274 3.861,60.503 4.826,60.63 7.772,61.29 42.393,61.316 12.268,62.154 7.798,62.179 12.268,62.941 3.124,63.322 23.343,63.703 15.672,64.008 36.754,64.313 35.738,64.338 4.699,64.541 46.863,64.643 15.672,64.922 18.669,65.43 46.888,65.507 18.745,66.294 29.312,68.58 30.632,68.605 25.222,69.164 35.408,75.921 35.382,76.81 52.07,78.791 51.105,79.273 11.735,87.401 44.12,88.494 11.659,88.798 35.255,89.129 44.12,89.459 11.684,89.84 35.255,90.018 49.276,94.31 49.073,97.765 43.79,98.933
INT: U7.12
IR_READ: R33.1 U1.64 | length 50.2
  Top Layer w0.127: v1(26.391,62.687) 26.395,62.682 26.395,59.755 U1.64@26.4,59.75
  Top Layer w0.254: v1(44.983,93.853) 44.987,93.857 R33.1@44.987,95.046
  Mid Layer 2 w0.127: v1(26.391,62.687) 26.391,67.818 28.016,69.444 28.016,89.002 32.969,93.955 38.881,93.955 38.982,93.853 v1(44.983,93.853)
IR_SEND: R44.1 U1.63 | length 37.6
  Top Layer w0.127: v1(26.899,63.297) 26.899,59.751 U1.63@26.9,59.75
  Top Layer w0.254: R44.1@33.538,93.954 33.579,93.913 v1(33.579,92.913)
  Mid Layer 2 w0.127: v1(26.899,63.297) 26.899,67.92 28.397,69.418 28.397,88.824 32.487,92.913 v1(33.579,92.913)
LCD_CS: TFT_1.12 U1.88 | length 49.3
  Top Layer w0.127: v1(16.358,53.416) 17.574,52.2 U1.88@19.35,52.2 ; v1(46.66,67.742) 47.992,67.742 TFT_1.12@48,67.75
  Mid Layer 1 w0.127: v1(16.078,66.015) 16.383,66.319 16.383,67.081 16.713,67.412 35.64,67.412 35.97,67.742 v1(46.66,67.742)
  Mid Layer 2 w0.127: v1(16.078,66.015) 16.078,65.583 16.307,65.354 16.307,53.467 v1(16.358,53.416)
LCD_CTR: Q1.1 R8.1 U1.59 | length 22.8
  Top Layer w0.127: U1.59@28.9,59.75 28.9,62.549 31.725,65.373 v1(31.725,65.58) ; v1(42.113,63.525) 42.695,64.107 R8.1@42.695,64.622 42.8,64.516 43.078,64.516 43.764,63.83 Q1.1@43.764,63.038
  Mid Layer 1 w0.127: v1(31.725,65.58) 41.862,65.58 42.113,65.329 v1(42.113,63.525)
LCD_D00: TFT_1.18 U1.61 | length 26.1
  Top Layer w0.127: U1.61@27.9,59.75 27.9,63.028 33.998,69.126 35.155,69.126 35.448,69.418 35.468,69.418 v1(35.478,69.428) ; v1(46.838,69.571) 46.848,69.56 47.99,69.56 TFT_1.18@48,69.55
  Mid Layer 1 w0.127: v1(35.478,69.428) 35.581,69.428 35.723,69.571 v1(46.838,69.571)
LCD_D01: TFT_1.19 U1.62 | length 30.2
  Top Layer w0.127: U1.62@27.4,59.75 27.4,63.19 33.756,69.545 v1(34.569,69.545) ; v1(50.013,69.85) TFT_1.19@51,69.85
  Mid Layer 1 w0.127: v1(34.569,69.545) 35.106,69.009 49.172,69.009 v1(50.013,69.85)
LCD_D02: TFT_1.20 U1.81 | length 46.2
  Top Layer w0.127: v1(17.729,56.159) 18.188,55.7 U1.81@19.35,55.7 19.48,55.7 U1.81@19.482,55.702 ; v1(46.203,70.155) 46.205,70.152 47.998,70.152 TFT_1.20@48,70.15
  Mid Layer 1 w0.127: v1(17.831,69.85) 18.136,70.155 18.567,70.155 v1(46.203,70.155)
  Mid Layer 2 w0.127: v1@17.755,56.185 v1(17.729,56.159) 17.729,56.249 17.551,56.427 17.551,69.537 17.831,69.816 v1(17.831,69.85)
LCD_D03: TFT_1.21 U1.82 | length 50.9
  Top Layer w0.127: v1(17.297,55.626) 17.723,55.2 U1.82@19.35,55.2 ; v1(49.479,70.409) 49.5,70.429 50.979,70.429 TFT_1.21@51,70.45
  Mid Layer 1 w0.127: v1(17.297,70.409) 45.212,70.409 45.377,70.574 47.627,70.574 47.792,70.409 v1(49.479,70.409)
  Mid Layer 2 w0.127: v1(17.297,55.626) v1(17.297,70.409)
LCD_D04: TFT_1.22 U1.38 | length 28.2
  Top Layer w0.127: U1.38@34.45,52.2 38.756,52.2 41.554,54.998 41.554,66.853 45.452,70.75 TFT_1.22@48,70.75
LCD_D05: TFT_1.23 U1.39 | length 31.2
  Top Layer w0.127: U1.39@34.45,52.7 38.717,52.7 41.173,55.156 41.173,67.158 v1(44.882,70.866) ; v1(50.013,71.044) 50.016,71.047 50.997,71.047 TFT_1.23@51,71.05
  Mid Layer 1 w0.127: v1(44.882,70.866) 44.971,70.866 45.149,71.044 v1(50.013,71.044)
LCD_D06: TFT_1.24 U1.40 | length 28.2
  Top Layer w0.127: U1.40@34.45,53.2 38.678,53.2 40.792,55.314 40.792,67.437 44.705,71.35 TFT_1.24@48,71.35
LCD_D07: TFT_1.25 U1.41 | length 31.2
  Top Layer w0.127: U1.41@34.45,53.7 38.64,53.7 40.411,55.472 40.411,67.742 v1(44.171,71.501) ; v1(49.479,71.628) 49.49,71.639 50.989,71.639 TFT_1.25@51,71.65
  Mid Layer 1 w0.127: v1(44.171,71.501) 44.26,71.501 44.387,71.628 v1(49.479,71.628)
LCD_D08: TFT_1.26 U1.42 | length 28.1
  Top Layer w0.127: U1.42@34.45,54.2 38.601,54.2 40.03,55.63 40.03,67.979 44.002,71.95 TFT_1.26@48,71.95